# Altium PCB PCB_Kasli.PCBDOC (part 8 of 14)
Units mm, origin at the board's own origin, x right, y up, seen from the top; angles counter-clockwise.
Board outline 162.29 x 100 mm, 6 copper layers (TopLayer, MidLayer1, MidLayer2, SignalLayer1, Internal Plane 1, BottomLayer), stack 1.528 mm thick; 646 components, 567 nets, 2756 pads, 1560 vias.
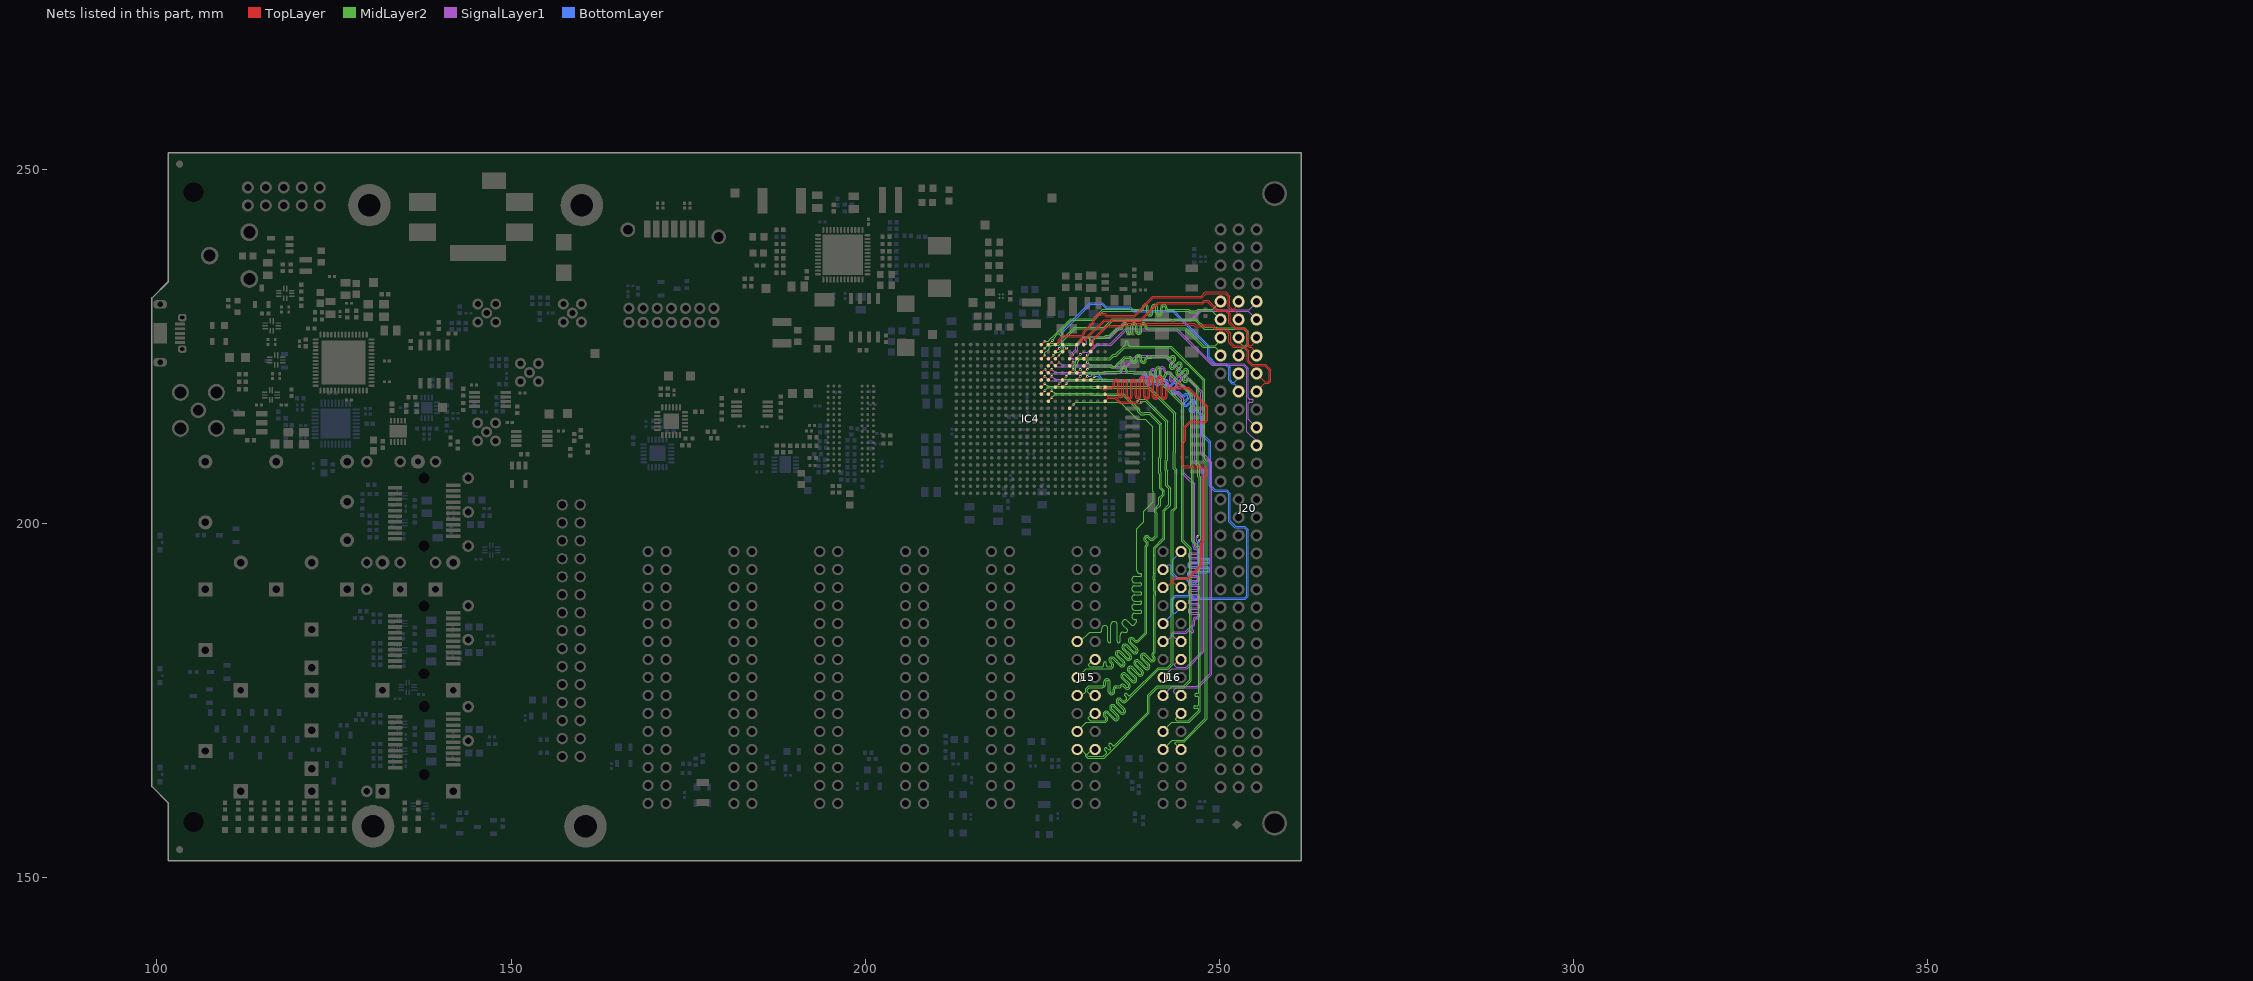
[diagram p12: the nets of this part, all layers, seen from the top]

## Via types
v1: diameter 0.5, hole 0.2, TopLayer to BottomLayer, tented both sides, 724 vias
v2: diameter 0.35, hole 0.15, TopLayer to BottomLayer, tented both sides, 628 vias
v3: diameter 0.8, hole 0.5, TopLayer to BottomLayer, tented both sides, 122 vias
v4: diameter 0.8, hole 0.5, TopLayer to BottomLayer, 66 vias
v5: diameter 0.5, hole 0.2, TopLayer to BottomLayer, 20 vias

## Nets (pads, with @x,y where several pads share a name; then routed paths per layer and width w, separated by ;. In a path a pad name is that pad's centre, name@x,y a point inside that pad or via, vN(x,y) a via of type N, cw(c..) or ccw(c..) an arc to the next point about the centre after c; other vN are vias at no path point) (continued)
EXT6.LVDS_3_P: IC4.K17 J15.11 | length 74.5
  TopLayer w0.095: IC4.K17@228.872,216.315 v2(229.372,216.815)
  MidLayer2 w0.115: v2(229.372,216.815) 229.755,217.198 232.058,217.198 232.087,217.168 233.113,217.168 233.119,217.162 233.631,217.162 233.637,217.168 236.044,217.168 238.412,214.8 239.523,214.8 240.589,213.735 240.589,204.612 240.644,204.557 240.644,203.129 239.307,201.792 239.307,200.27 238.347,199.31 238.347,193.429 ccw(c238.79,193.429) 238.79,192.986 238.84,192.986 cw(c238.84,192.779) 239.047,192.779 cw(c238.84,192.779) 238.84,192.571 238.09,192.571 ccw(c238.09,192.129) 238.09,191.686 238.84,191.686 cw(c238.84,191.479) 239.047,191.479 cw(c238.84,191.479) 238.84,191.271 238.09,191.271 ccw(c238.09,190.829) 238.09,190.386 238.84,190.386 cw(c238.84,190.179) 239.047,190.179 cw(c238.84,190.179) 238.84,189.971 238.09,189.971 ccw(c238.09,189.529) 238.09,189.086 238.84,189.086 cw(c238.84,188.879) 239.047,188.879 cw(c238.84,188.879) 238.84,188.671 238.09,188.671 ccw(c238.09,188.229) 238.09,187.786 238.84,187.786 cw(c238.84,187.579) 239.047,187.579 cw(c238.84,187.579) 238.84,187.371 238.09,187.371 ccw(c238.09,186.929) 238.09,186.486 238.14,186.486 cw(c238.14,186.279) 238.347,186.279 238.347,186.152 237.912,185.717 cw(c237.766,185.864) 237.619,185.717 237.018,186.318 ccw(c236.705,186.006) 236.392,186.318 ccw(c236.705,186.006) 236.392,185.693 236.993,185.092 cw(c236.846,184.945) 237.054,184.945 cw(c236.846,184.945) 236.993,184.798 236.904,184.709 236.447,184.709 ccw(c236.447,184.266) 236.005,184.266 236.005,183.416 cw(c235.797,183.416) 235.59,183.416 235.59,185.766 ccw(c235.147,185.766) 234.705,185.766 234.705,183.416 cw(c234.497,183.416) 234.29,183.416 234.29,185.193 ccw(c233.847,185.193) 233.405,185.193 233.405,184.916 cw(c233.197,184.916) 233.197,184.709 231.697,184.709 230.376,183.388 J15.11@229.943,183.388
EXT6.LVDS_4_N: IC4.H14 J15.15 | length 74.9
  TopLayer w0.095: IC4.H14@225.872,218.315 v2(226.372,218.815)
  MidLayer2 w0.115: v2(226.372,218.815) 226.755,218.433 232.174,218.433 232.203,218.403 236.469,218.403 236.499,218.374 238.049,216.824 238.754,216.118 238.754,215.921 239.022,215.653 239.401,215.653 239.483,215.735 240.195,215.735 241.814,214.116 241.814,209.369 241.716,209.27 241.716,207.254 241.814,207.155 241.814,205.115 242.247,204.683 242.247,204.109 241.714,203.576 241.714,202.653 241.097,202.036 241.097,201.656 241.217,201.535 241.217,198.213 241.173,198.169 240.785,197.78 cw(c240.472,198.093) 240.159,197.78 239.911,198.028 ccw(c239.765,197.881) 239.618,198.028 ccw(c239.765,197.881) 239.618,197.734 239.865,197.487 cw(c239.552,197.174) 239.995,197.174 cw(c239.552,197.174) 239.865,196.861 239.776,196.772 239.776,184.554 238.628,183.407 cw(c238.316,183.72) 238.003,183.407 237.755,183.654 ccw(c237.608,183.507) 237.462,183.655 ; J15.15@229.943,178.308 231.206,179.572 234.793,179.572 234.952,179.73 ccw(c234.639,180.043) 235.081,180.043 ccw(c234.639,180.043) 234.952,180.356 234.704,180.603 cw(c234.851,180.75) 234.704,180.896 cw(c234.851,180.75) 234.997,180.896 235.952,179.942 ccw(c236.265,180.255) 236.578,179.942 ccw(c236.265,180.255) 236.707,180.255 ccw(c236.265,180.255) 236.578,180.568 235.623,181.522 cw(c235.77,181.669) 235.623,181.815 cw(c235.77,181.669) 235.917,181.816 236.871,180.861 ccw(c237.184,181.174) 237.497,180.861 ccw(c237.184,181.174) 237.627,181.174 ccw(c237.184,181.174) 237.497,181.487 236.543,182.442 cw(c236.689,182.588) 236.542,182.735 ; 236.543,182.735 cw(c236.689,182.588) 236.836,182.735 237.791,181.78 ccw(c238.103,182.093) 238.416,181.78 ccw(c238.103,182.093) 238.546,182.093 ccw(c238.103,182.093) 238.416,182.406 237.462,183.361 cw(c237.608,183.507) 237.461,183.654
EXT6.LVDS_4_P: IC4.J14 J15.14 | length 74.2
  TopLayer w0.095: IC4.J14@225.872,217.315 v2(226.372,217.815)
  MidLayer2 w0.115: v2(226.372,217.815) 226.755,218.198 232.076,218.198 232.106,218.168 236.372,218.168 236.499,218.041 237.814,216.726 238.519,216.021 238.519,215.824 238.925,215.418 239.499,215.418 239.58,215.5 240.098,215.5 241.579,214.018 241.579,209.466 241.481,209.367 241.481,207.157 241.579,207.058 241.579,205.018 242.011,204.585 242.011,204.206 241.479,203.674 241.479,202.75 240.861,202.133 240.861,201.559 240.982,201.438 240.982,198.31 240.618,197.946 cw(c240.472,198.093) 240.325,197.946 240.077,198.194 ccw(c239.765,197.881) 239.452,198.194 ccw(c239.765,197.881) 239.452,197.568 239.699,197.321 cw(c239.552,197.174) 239.76,197.174 cw(c239.552,197.174) 239.699,197.027 239.541,196.869 239.541,184.652 238.462,183.573 cw(c238.316,183.72) 238.169,183.573 237.921,183.82 ccw(c237.608,183.507) 237.296,183.82 ccw(c237.608,183.507) 237.296,183.195 238.25,182.24 cw(c238.103,182.093) 238.311,182.093 cw(c238.103,182.093) 238.25,181.947 ; J15.14@232.207,180.848 231.546,180.188 231.546,179.984 231.724,179.807 233.45,179.807 ccw(c233.45,180.014) 233.658,180.014 233.658,180.299 cw(c233.865,180.299) 233.865,180.507 cw(c233.865,180.299) 234.073,180.299 234.073,180.014 ccw(c234.28,180.014) 234.28,179.807 234.45,179.807 234.696,179.807 234.785,179.896 ccw(c234.639,180.043) 234.846,180.043 ccw(c234.639,180.043) 234.785,180.189 234.538,180.437 cw(c234.851,180.75) 234.538,181.063 cw(c234.851,180.75) 235.164,181.063 236.118,180.108 ccw(c236.265,180.255) 236.411,180.108 ccw(c236.265,180.255) 236.472,180.255 ccw(c236.265,180.255) 236.412,180.402 235.457,181.356 cw(c235.77,181.669) 235.457,181.982 cw(c235.77,181.669) 236.083,181.982 237.037,181.027 ccw(c237.184,181.174) 237.33,181.027 ; 237.331,181.027 ccw(c237.184,181.174) 237.392,181.174 ccw(c237.184,181.174) 237.331,181.321 236.376,182.275 cw(c236.689,182.588) 236.376,182.901 cw(c236.689,182.588) 237.002,182.901 237.957,181.947 ccw(c238.103,182.093) 238.25,181.946
EXT6.LVDS_5_N: IC4.H22 J15.18 | length 75.8
  TopLayer w0.095: IC4.H22@233.872,218.315 234.262,217.925 235.361,217.925 236.036,217.25 v2@238.376,217.25
  MidLayer2 w0.115: J15.18@232.483,175.768 231.927,175.768 231.369,176.327 231.369,176.606 231.642,176.879 233.502,176.879 ccw(c233.502,177.322) 233.945,177.322 233.945,177.672 cw(c234.152,177.672) 234.36,177.672 234.36,176.322 ccw(c234.802,176.322) 235.245,176.322 235.245,176.672 cw(c235.452,176.672) 235.452,176.879 236.01,176.879 236.169,177.037 cw(c236.315,176.891) 236.462,177.037 236.709,176.79 ccw(c237.022,177.103) 237.335,176.79 ccw(c237.022,177.103) 237.465,177.103 ccw(c237.022,177.103) 237.335,177.416 236.381,178.37 cw(c236.527,178.517) 236.38,178.663 ; 236.381,178.664 cw(c236.527,178.517) 236.674,178.664 237.629,177.709 ccw(c237.942,178.022) 238.255,177.709 ccw(c237.942,178.022) 238.384,178.022 ccw(c237.942,178.022) 238.255,178.335 237.3,179.29 cw(c237.447,179.436) 237.3,179.583 cw(c237.447,179.436) 237.593,179.583 238.548,178.628 ccw(c238.861,178.941) 239.174,178.628 ccw(c238.861,178.941) 239.303,178.941 ccw(c238.861,178.941) 239.174,179.254 238.219,180.209 cw(c238.366,180.355) 238.219,180.502 ; 238.219,180.502 cw(c238.366,180.355) 238.513,180.502 239.467,179.548 ccw(c239.78,179.861) 240.093,179.548 ccw(c239.78,179.861) 240.223,179.861 ccw(c239.78,179.861) 240.093,180.173 239.138,181.128 cw(c239.285,181.275) 239.138,181.421 ; v2@238.437,217.311 238.686,217.56 238.804,217.56 238.827,217.584 238.975,217.584 238.981,217.578 239.147,217.578 239.165,217.56 239.629,217.56 242.704,214.484 242.704,209 242.606,208.901 242.606,207.623 242.704,207.524 242.704,205.484 243.137,205.051 243.137,202.649 242.316,201.828 242.316,197.921 240.954,196.56 240.954,195.629 240.97,195.614 240.97,194.022 240.954,194.007 240.954,193.089 240.97,193.074 240.97,192.558 240.904,192.493 240.904,192.176 240.97,192.11 240.97,191.482 240.954,191.467 240.954,190.549 240.97,190.534 240.97,190.528 241.043,190.456 241.043,189.944 240.97,189.872 240.97,188.942 240.954,188.927 240.954,182.09 240.97,182.075 240.97,181.839 240.765,181.634 ccw(c240.912,181.487) 240.765,181.34 240.829,181.276 cw(c240.516,180.963) 240.959,180.963 cw(c240.516,180.963) 240.829,180.65 cw(c240.516,180.963) 240.203,180.65 239.432,181.421 ccw(c239.285,181.275) 239.138,181.421
  other v2: 238.412,217.311
EXT6.LVDS_5_P: IC4.J22 J15.17 | length 76
  TopLayer w0.095: IC4.J22@233.872,217.315 234.262,217.705 235.27,217.705 235.945,217.03 238.15,217.03 238.242,216.938 238.731,216.938 v2(238.989,217.195)
  MidLayer2 w0.115: J15.17@229.943,175.768 230.575,175.768 231.134,176.327 231.134,176.704 231.544,177.114 233.502,177.114 ccw(c233.502,177.322) 233.71,177.322 233.71,177.672 cw(c234.152,177.672) 234.595,177.672 234.595,176.322 ccw(c234.802,176.322) 235.01,176.322 235.01,176.672 cw(c235.452,176.672) 235.452,177.114 235.913,177.114 236.002,177.204 cw(c236.315,176.891) 236.628,177.204 236.876,176.956 ccw(c237.022,177.103) 237.169,176.956 ccw(c237.022,177.103) 237.23,177.103 ccw(c237.022,177.103) 237.169,177.249 236.215,178.204 cw(c236.527,178.517) 236.215,178.83 cw(c236.527,178.517) 236.84,178.83 237.795,177.875 ccw(c237.942,178.022) 238.088,177.875 ccw(c237.942,178.022) 238.149,178.022 ccw(c237.942,178.022) 238.088,178.169 237.134,179.123 cw(c237.447,179.436) 237.134,179.749 cw(c237.447,179.436) 237.76,179.749 238.714,178.795 ccw(c238.861,178.941) 239.007,178.794 ccw(c238.861,178.941) 239.068,178.941 ccw(c238.861,178.941) 239.008,179.088 238.053,180.043 cw(c238.366,180.355) 238.053,180.668 cw(c238.366,180.355) 238.679,180.668 239.633,179.714 ccw(c239.78,179.861) 239.926,179.713 ; v2(238.989,217.195) 238.902,217.195 238.837,217.261 238.88,217.304 238.901,217.325 238.989,217.325 239.531,217.325 242.469,214.387 242.469,209.097 242.371,208.999 242.371,207.525 242.469,207.427 242.469,205.386 242.902,204.954 242.902,202.746 242.081,201.926 242.081,198.018 240.719,196.657 240.719,195.532 240.735,195.517 240.735,194.119 240.719,194.104 240.719,192.992 240.735,192.977 240.735,192.656 240.669,192.59 240.669,192.079 240.735,192.013 240.735,191.579 240.719,191.564 240.719,190.452 240.735,190.437 240.735,190.431 240.808,190.358 240.808,190.042 240.735,189.969 240.735,189.039 240.719,189.024 240.719,181.993 240.735,181.978 240.735,181.936 240.599,181.8 ccw(c240.912,181.487) 240.599,181.174 240.663,181.11 cw(c240.516,180.963) 240.724,180.963 cw(c240.516,180.963) 240.663,180.816 cw(c240.516,180.963) 240.37,180.816 239.598,181.588 ccw(c239.285,181.275) 238.972,181.588 ccw(c239.285,181.275) 238.972,180.962 239.927,180.007 cw(c239.78,179.861) 239.988,179.861 cw(c239.78,179.861) 239.927,179.714
EXT6.LVDS_6_N: IC4.G13 J15.21 | length 82.2
  TopLayer w0.095: IC4.G13@224.872,219.315 v2(225.372,219.815)
  MidLayer2 w0.115: v2(225.372,219.815) 225.755,219.433 232.174,219.433 232.203,219.403 240.06,219.403 243.828,215.634 243.828,210.125 243.768,210.064 243.768,208.087 243.771,208.084 243.771,207.894 244.027,207.638 244.027,202.28 243.491,201.745 243.491,180.166 242.769,179.445 241.448,179.445 236.871,174.867 cw(c236.558,175.18) 236.245,174.867 236.014,175.098 ccw(c235.868,174.952) 235.721,175.098 ; J15.21@229.943,170.688 231.206,171.952 233.955,171.952 234.113,172.11 ccw(c233.8,172.423) 234.243,172.423 ccw(c233.8,172.423) 234.113,172.736 233.898,172.951 cw(c234.045,173.097) 233.898,173.244 ; 233.898,173.244 cw(c234.045,173.097) 234.192,173.244 235.097,172.338 ccw(c235.41,172.651) 235.723,172.338 ccw(c235.41,172.651) 235.853,172.651 ccw(c235.41,172.651) 235.723,172.964 234.802,173.886 cw(c234.948,174.032) 234.801,174.179 cw(c234.948,174.032) 235.095,174.179 236.017,173.258 ccw(c236.329,173.571) 236.642,173.258 ccw(c236.329,173.571) 236.772,173.571 ccw(c236.329,173.571) 236.642,173.884 235.721,174.805 cw(c235.868,174.952) 235.72,175.098
EXT6.LVDS_6_P: IC4.H13 J15.20 | length 81.9
  TopLayer w0.095: IC4.H13@224.872,218.315 v2(225.372,218.815)
  MidLayer2 w0.115: v2(225.372,218.815) 225.755,219.198 232.076,219.198 232.106,219.168 239.962,219.168 243.593,215.537 243.593,210.223 243.532,210.162 243.532,207.99 243.535,207.987 243.535,207.797 243.792,207.541 243.792,202.378 243.256,201.842 243.256,180.264 242.672,179.68 241.351,179.68 237.586,175.914 237.46,175.789 cw(c237.313,175.936) 237.167,175.789 236.965,175.99 ccw(c236.818,175.844) 236.672,175.99 ccw(c236.818,175.844) 236.672,175.697 236.873,175.495 cw(c236.726,175.349) 236.873,175.202 236.705,175.034 cw(c236.558,175.18) 236.411,175.034 236.181,175.265 ccw(c235.868,174.952) 235.555,175.265 ccw(c235.868,174.952) 235.555,174.639 236.476,173.717 cw(c236.329,173.571) 236.537,173.571 cw(c236.329,173.571) 236.476,173.424 ; J15.20@232.483,173.228 232.131,173.228 231.521,172.618 231.521,172.466 231.8,172.187 233.858,172.187 233.947,172.276 ccw(c233.8,172.423) 234.008,172.423 ccw(c233.8,172.423) 233.947,172.569 233.732,172.784 cw(c234.045,173.097) 233.732,173.41 cw(c234.045,173.097) 234.358,173.41 235.263,172.505 ccw(c235.41,172.651) 235.556,172.504 ccw(c235.41,172.651) 235.618,172.651 ccw(c235.41,172.651) 235.557,172.798 234.635,173.72 cw(c234.948,174.032) 234.635,174.345 cw(c234.948,174.032) 235.261,174.345 236.183,173.424 ccw(c236.329,173.571) 236.476,173.423
EXT6.LVDS_7_N: IC4.G16 J15.24 | length 81.9
  TopLayer w0.095: IC4.G16@227.872,219.315 v2(228.372,219.815)
  MidLayer2 w0.115: v2(228.372,219.815) 228.755,220.198 232.051,220.198 232.081,220.168 235.282,220.168 235.36,220.09 241.46,220.09 244.7,216.85 244.7,203.414 244.693,203.407 244.693,202.833 244.7,202.826 244.7,197.563 245.821,196.441 245.821,177.961 244.971,177.111 241.243,177.111 239.897,175.764 239.897,173.406 235.533,169.042 235.219,168.728 cw(c235.072,168.875) 234.926,168.728 234.724,168.93 ccw(c234.577,168.783) 234.431,168.93 ccw(c234.577,168.783) 234.431,168.636 234.632,168.435 cw(c234.486,168.288) 234.632,168.142 cw(c234.486,168.288) 234.339,168.141 234.137,168.343 ccw(c233.991,168.196) 233.844,168.343 ccw(c233.991,168.196) 233.844,168.05 ; J15.24@232.483,168.148 232.054,168.148 231.394,167.488 231.394,167.259 231.496,167.157 233.648,167.157 234.045,167.555 ccw(c233.899,167.701) 234.045,167.848 233.844,168.05
EXT6.LVDS_7_P: IC4.G15 J15.23 | length 82.2
  TopLayer w0.095: IC4.G15@226.872,219.315 v2(227.372,219.815)
  MidLayer2 w0.115: v2(227.372,219.815) 227.957,220.4 228.625,220.4 228.657,220.433 232.149,220.433 232.178,220.403 235.379,220.403 235.458,220.325 241.557,220.325 244.935,216.947 244.935,203.316 244.928,203.309 244.928,202.931 244.935,202.924 244.935,197.66 246.056,196.539 246.056,177.864 245.068,176.876 241.341,176.876 240.132,175.666 240.132,173.308 233.746,166.922 231.398,166.922 231.159,167.162 231.159,167.488 230.499,168.148 J15.23@229.943,168.148
EXT7.LVDS_0_N: IC4.D19 J16.3 | length 73.1
  TopLayer w0.095: IC4.D19@230.872,222.315 v2(231.372,222.815)
  MidLayer2 w0.115: v2(231.372,222.815) 231.755,222.433 234.675,222.433 234.857,222.25 235.242,222.25 236.602,223.61 237.325,223.61 cw(c237.325,223.168) 237.767,223.168 237.767,223.118 ccw(c237.975,223.118) 238.182,223.118 238.182,223.493 cw(c238.57,223.493) 238.57,223.88 238.68,223.88 cw(c238.68,223.493) 239.068,223.493 239.068,223.118 ccw(c239.275,223.118) 239.483,223.118 239.483,223.168 cw(c239.925,223.168) 239.925,223.61 240.36,223.61 240.468,223.719 242.631,223.719 242.79,223.56 ccw(c242.936,223.707) 243.083,223.56 243.118,223.596 cw(c243.431,223.283) 243.744,223.596 cw(c243.431,223.283) 243.874,223.283 cw(c243.431,223.283) 243.744,222.97 243.214,222.44 ccw(c243.361,222.293) 243.213,222.147 ; 243.214,222.146 ccw(c243.361,222.293) 243.507,222.146 244.038,222.676 cw(c244.351,222.364) 244.663,222.676 cw(c244.351,222.364) 244.793,222.364 cw(c244.351,222.364) 244.663,222.051 244.133,221.52 ccw(c244.28,221.374) 244.133,221.227 ccw(c244.28,221.374) 244.427,221.227 244.957,221.757 cw(c245.27,221.444) 245.583,221.757 cw(c245.27,221.444) 245.712,221.444 cw(c245.27,221.444) 245.583,221.131 245.052,220.601 ccw(c245.199,220.454) 245.052,220.308 ; 245.053,220.307 ccw(c245.199,220.454) 245.346,220.308 245.381,220.343 cw(c245.694,220.03) 246.007,220.343 247.066,219.284 247.066,208.477 247.228,208.316 247.228,206.72 247.375,206.572 247.375,197.921 v2(247.167,197.714)
  BottomLayer w0.095: J16.3@242.062,193.548 242.113,193.548 242.824,194.259 243.103,194.259 243.239,194.124 243.239,192.974 244.037,192.176 245.256,192.176 245.984,191.448 246.522,191.448 247.167,192.094 247.167,192.297 ccw(c246.75,192.297) 246.75,192.714 245.922,192.714 cw(c245.922,192.912) 245.724,192.912 cw(c245.922,192.912) 245.922,193.109 248.25,193.109 ccw(c248.25,193.527) 248.667,193.527 ccw(c248.25,193.527) 248.25,193.944 245.941,193.944 cw(c245.941,194.142) 245.744,194.142 cw(c245.941,194.142) 245.941,194.339 248.25,194.339 ccw(c248.25,194.757) 248.667,194.757 ccw(c248.25,194.757) 248.25,195.174 247.365,195.174 cw(c247.365,195.372) 247.167,195.372 v2(247.167,197.714)
EXT7.LVDS_0_P: IC4.E19 J16.2 | length 73.1
  TopLayer w0.095: IC4.E19@230.872,221.315 v2(231.372,221.815)
  MidLayer2 w0.115: v2(231.372,221.815) 231.755,222.198 234.577,222.198 234.76,222.015 235.339,222.015 236.699,223.375 237.325,223.375 cw(c237.325,223.168) 237.532,223.168 237.532,223.118 ccw(c237.975,223.118) 238.417,223.118 238.417,223.493 cw(c238.57,223.493) 238.57,223.645 238.68,223.645 cw(c238.68,223.493) 238.832,223.493 238.832,223.118 ccw(c239.275,223.118) 239.718,223.118 239.718,223.168 cw(c239.925,223.168) 239.925,223.375 240.457,223.375 240.566,223.484 242.534,223.484 242.623,223.394 ccw(c242.936,223.707) 243.249,223.394 243.285,223.43 cw(c243.431,223.283) 243.578,223.43 ; 243.578,223.43 cw(c243.431,223.283) 243.639,223.283 cw(c243.431,223.283) 243.578,223.136 243.048,222.606 ccw(c243.361,222.293) 243.048,221.98 ccw(c243.361,222.293) 243.674,221.98 244.204,222.51 cw(c244.351,222.364) 244.497,222.511 ; 244.497,222.51 cw(c244.351,222.364) 244.558,222.364 cw(c244.351,222.364) 244.497,222.217 243.967,221.687 ccw(c244.28,221.374) 243.967,221.061 ccw(c244.28,221.374) 244.593,221.061 245.123,221.591 cw(c245.27,221.444) 245.416,221.591 cw(c245.27,221.444) 245.477,221.444 cw(c245.27,221.444) 245.417,221.298 244.886,220.767 ccw(c245.199,220.454) 244.886,220.141 ccw(c245.199,220.454) 245.512,220.141 245.547,220.177 cw(c245.694,220.03) 245.841,220.177 246.831,219.186 246.831,208.38 246.993,208.219 246.993,206.622 247.14,206.475 247.14,198.39 v2(246.975,198.225)
  BottomLayer w0.095: J16.2@244.526,196.088 J16.2@244.602,196.088 243.459,194.945 243.459,193.065 244.128,192.396 245.347,192.396 246.075,191.668 246.431,191.668 246.947,192.185 246.947,192.297 ccw(c246.75,192.297) 246.75,192.494 245.922,192.494 cw(c245.922,192.912) 245.504,192.912 cw(c245.922,192.912) 245.922,193.329 248.25,193.329 ccw(c248.25,193.527) 248.447,193.527 ccw(c248.25,193.527) 248.25,193.724 245.941,193.724 cw(c245.941,194.142) 245.524,194.142 cw(c245.941,194.142) 245.941,194.559 248.25,194.559 ccw(c248.25,194.757) 248.447,194.757 ccw(c248.25,194.757) 248.25,194.954 247.365,194.954 cw(c247.365,195.372) 246.947,195.372 246.947,197.407 246.795,197.559 246.795,198.045 v2(246.975,198.225)
EXT7.LVDS_1_N: IC4.G22 J16.6 | length 81.3
  TopLayer w0.095: IC4.G22@233.872,219.315 234.179,219.315 234.675,219.315 234.832,219.315 ccw(c234.832,219.512) 235.03,219.512 235.03,220.032 cw(c235.447,220.032) 235.865,220.032 235.865,218.254 ccw(c236.062,218.254) 236.26,218.254 236.26,219.962 cw(c236.677,219.962) 237.095,219.962 237.095,218.012 ccw(c237.292,218.012) 237.49,218.012 237.49,219.992 cw(c237.907,219.992) 238.325,219.992 238.325,218.093 ccw(c238.522,218.093) 238.72,218.093 238.72,220.397 cw(c239.137,220.397) 239.555,220.397 239.555,218.012 ccw(c239.752,218.012) 239.95,218.012 239.95,220.397 cw(c240.367,220.397) 240.785,220.397 240.785,218.012 ccw(c240.982,218.012) 241.18,218.012 241.18,220.397 cw(c241.598,220.397) 242.015,220.397 242.015,218.012 ccw(c242.213,218.012) 242.41,218.012 242.41,218.897 cw(c242.828,218.897) 242.827,219.315 243.85,219.315 ccw(c243.85,219.512) 244.048,219.512 244.047,219.771 cw(c244.245,219.771) 244.245,219.968 cw(c244.245,219.771) 244.442,219.771 244.443,219.512 ccw(c244.64,219.512) 244.64,219.315 244.8,219.315 245.71,219.315 248.405,216.62 248.405,214.634 248.046,214.275 245.925,214.275 245.3,213.65 245.3,211.809 244.967,211.476 244.967,208.283 245.075,208.175 247.875,208.175 248.405,207.645 248.405,206.869 247.908,206.371 247.908,197.571 247.625,197.289 247.625,194.164 245.616,192.155 243.68,192.155 243.5,191.975 243.5,191.75 244.242,191.008 J16.6@244.602,191.008
EXT7.LVDS_1_P: IC4.G21 J16.5 | length 81.3
  TopLayer w0.095: IC4.G21@232.872,219.315 233.271,219.315 233.658,218.929 234.084,218.929 234.25,219.095 234.675,219.095 234.832,219.095 ccw(c234.832,219.512) 235.25,219.512 235.25,220.032 cw(c235.447,220.032) 235.645,220.032 235.645,218.254 ccw(c236.062,218.254) 236.48,218.254 236.48,219.962 cw(c236.677,219.962) 236.875,219.962 236.875,218.012 ccw(c237.292,218.012) 237.71,218.012 237.71,219.992 cw(c237.907,219.992) 238.105,219.992 238.105,218.093 ccw(c238.522,218.093) 238.94,218.093 238.94,220.397 cw(c239.137,220.397) 239.335,220.397 239.335,218.012 ccw(c239.752,218.012) 240.17,218.012 240.17,220.397 cw(c240.367,220.397) 240.565,220.397 240.565,218.012 ccw(c240.982,218.012) 241.4,218.012 241.4,220.397 cw(c241.598,220.397) 241.795,220.397 241.795,218.012 ccw(c242.213,218.012) 242.63,218.012 242.63,218.897 cw(c242.828,218.897) 242.827,219.095 243.85,219.095 245.619,219.095 248.185,216.529 248.185,214.725 247.955,214.495 245.834,214.495 245.08,213.741 245.08,211.9 244.919,211.739 244.747,211.567 244.747,208.192 244.984,207.955 247.784,207.955 248.185,207.554 248.185,206.96 247.688,206.462 247.688,197.663 247.405,197.38 247.405,194.255 245.525,192.375 243.589,192.375 243.28,192.066 243.28,191.75 242.538,191.008 J16.5@242.062,191.008
EXT7.LVDS_2_N: IC4.F20 J16.9 | length 74.7
  TopLayer w0.095: IC4.F20@231.872,220.315 232.34,220.783 v2(232.34,220.8)
  BottomLayer w0.095: v2(232.34,220.8) 232.351,220.8 232.363,220.813 232.876,220.813 233.531,220.158 236.054,220.158 236.062,220.15 237.977,220.15 238.05,220.223 238.825,220.223 ccw(c238.825,220.64) 239.242,220.64 239.242,220.725 cw(c239.44,220.725) 239.637,220.725 239.637,219.94 ccw(c240.055,219.94) 240.472,219.94 240.472,220.725 cw(c240.67,220.725) 240.867,220.725 240.867,219.94 ccw(c241.285,219.94) 241.702,219.94 241.702,220.025 cw(c241.9,220.025) 241.9,220.223 242.432,220.223 242.512,220.143 cw(c242.372,220.004) 242.569,220.004 cw(c242.372,220.004) 242.512,219.864 242.452,219.804 ccw(c242.747,219.509) 243.042,219.214 243.597,219.769 cw(c243.737,219.629) 243.934,219.629 cw(c243.737,219.629) 243.876,219.489 243.321,218.934 ccw(c243.616,218.639) 243.912,218.344 243.972,218.404 cw(c244.111,218.264) 244.251,218.404 244.486,218.169 244.597,218.058 ccw(c244.892,218.353) 245.187,218.058 245.247,218.118 cw(c245.387,217.979) 245.527,218.118 ; J16.9@242.062,185.928 243.205,187.071 243.205,189.341 243.784,189.92 246.055,189.92 246.423,189.552 253.568,189.552 253.873,189.856 253.873,199.111 253.512,199.472 252.275,199.472 252.27,199.466 252.265,199.472 252.21,199.472 251.367,200.315 251.367,204.182 250.952,204.597 249.327,204.597 248.555,205.369 248.555,205.552 248.555,211.483 247.506,212.532 247.506,215.149 246.74,215.915 ccw(c246.632,215.807) 246.523,215.915 246.432,215.824 cw(c246.137,216.119) 245.841,216.414 246.396,216.969 ccw(c246.257,217.109) 246.454,217.109 ccw(c246.257,217.109) 246.396,217.248 ccw(c246.257,217.109) 246.117,217.248 245.562,216.693 cw(c245.267,216.989) 244.972,217.284 245.527,217.839 ccw(c245.387,217.979) 245.585,217.979 ccw(c245.387,217.979) 245.527,218.118
EXT7.LVDS_2_P: IC4.F19 J16.8 | length 76
  TopLayer w0.095: IC4.F19@230.872,220.315 v2(231.372,220.815)
  BottomLayer w0.095: v2(231.372,220.815) 231.839,220.815 231.967,220.944 231.967,220.954 232.186,221.173 232.827,221.173 233.622,220.378 236.145,220.378 236.154,220.37 237.886,220.37 237.959,220.442 238.825,220.442 ccw(c238.825,220.64) 239.023,220.64 239.023,220.725 cw(c239.44,220.725) 239.857,220.725 239.857,219.94 ccw(c240.055,219.94) 240.252,219.94 240.252,220.725 cw(c240.67,220.725) 241.087,220.725 241.087,219.94 ccw(c241.285,219.94) 241.482,219.94 241.482,220.025 cw(c241.9,220.025) 241.9,220.442 242.524,220.442 242.667,220.299 cw(c242.372,220.004) 242.789,220.004 cw(c242.372,220.004) 242.667,219.709 242.607,219.648 ccw(c242.747,219.509) 242.886,219.369 243.441,219.924 cw(c243.737,219.629) 244.154,219.629 cw(c243.737,219.629) 244.032,219.334 243.477,218.779 ccw(c243.616,218.639) 243.756,218.499 243.816,218.559 cw(c244.111,218.264) 244.407,218.559 244.752,218.214 ccw(c244.892,218.353) 245.032,218.214 245.092,218.274 cw(c245.387,217.979) 245.805,217.979 cw(c245.387,217.979) 245.682,217.683 245.127,217.128 ccw(c245.267,216.989) 245.127,216.849 ; J16.8@244.602,188.468 244.602,188.177 243.8,187.375 243.6,187.375 243.425,187.55 243.425,189.25 243.875,189.7 245.964,189.7 246.332,189.332 253.659,189.332 254.093,189.765 254.093,199.202 253.603,199.692 252.301,199.692 251.587,200.406 251.587,204.273 251.043,204.817 249.419,204.817 248.775,205.461 248.775,211.575 247.726,212.623 247.726,215.24 246.896,216.071 ccw(c246.632,215.807) 246.368,216.071 246.276,215.979 cw(c246.137,216.119) 245.997,215.979 ; 245.127,216.849 ccw(c245.267,216.989) 245.407,216.849 245.962,217.404 cw(c246.257,217.109) 246.674,217.109 cw(c246.257,217.109) 246.552,216.814 245.997,216.259 ccw(c246.137,216.119) 245.997,215.979
EXT7.LVDS_3_N: IC4.F14 J16.12 | length 75.7
  TopLayer w0.095: IC4.F14@225.872,220.315 v2(226.372,220.815)
  SignalLayer1 w0.115: v2(226.372,220.815) 226.755,220.432 232.149,220.432 232.178,220.403 235.325,220.403 235.368,220.36 242.265,220.36 244.957,217.668 244.957,207.24 245.645,206.553 245.658,206.553 246.539,205.672 246.539,196.8 ccw(c246.746,196.8) 246.746,196.592 246.796,196.592 cw(c246.796,196.15) 247.239,196.15 cw(c246.796,196.15) 246.796,195.707 246.046,195.707 ccw(c246.046,195.5) 246.046,195.292 246.796,195.292 cw(c246.796,194.85) 247.239,194.85 cw(c246.796,194.85) 246.796,194.407 246.046,194.407 ccw(c246.046,194.2) 246.046,193.992 246.796,193.992 cw(c246.796,193.55) 247.239,193.55 cw(c246.796,193.55) 246.796,193.107 246.046,193.107 ccw(c246.046,192.9) 246.046,192.692 246.796,192.692 cw(c246.796,192.25) 247.239,192.25 cw(c246.796,192.25) 246.796,191.807 246.046,191.807 ccw(c246.046,191.6) 246.046,191.392 246.796,191.392 cw(c246.796,190.95) 247.239,190.95 cw(c246.796,190.95) 246.796,190.507 246.046,190.507 ccw(c246.046,190.3) 246.046,190.092 246.796,190.092 cw(c246.796,189.65) 247.239,189.65 cw(c246.796,189.65) 246.796,189.207 246.058,189.207 ccw(c246.058,189) 246.058,188.792 246.796,188.792 cw(c246.796,188.35) 247.239,188.35 cw(c246.796,188.35) 246.796,187.907 246.046,187.907 ccw(c246.046,187.7) 246.046,187.492 246.796,187.492 cw(c246.796,187.05) 247.239,187.05 cw(c246.796,187.05) 246.796,186.607 246.746,186.607 ccw(c246.746,186.4) 246.539,186.4 246.539,185.754 246.309,185.525 246.189,185.405 ccw(c246.336,185.258) 246.189,185.111 246.313,184.987 cw(c246.167,184.841) 246.313,184.694 cw(c246.167,184.841) 246.02,184.694 245.896,184.818 ccw(c245.749,184.671) 245.602,184.818 245.456,184.671 245.309,184.525 243.656,184.525 243.51,184.379 243.51,184.15 244.272,183.388 J16.12@244.602,183.388
EXT7.LVDS_3_P: IC4.F13 J16.11 | length 75.7
  TopLayer w0.095: IC4.F13@224.872,220.315 v2(225.372,220.815)
  SignalLayer1 w0.115: v2(225.372,220.815) 225.972,220.215 226.64,220.215 226.657,220.197 232.051,220.197 232.081,220.168 235.228,220.168 235.271,220.125 242.168,220.125 244.722,217.57 244.722,207.143 245.548,206.318 245.56,206.318 246.304,205.574 246.304,196.8 ccw(c246.746,196.8) 246.746,196.357 246.796,196.357 cw(c246.796,196.15) 247.004,196.15 cw(c246.796,196.15) 246.796,195.942 246.046,195.942 ccw(c246.046,195.5) 246.046,195.057 246.796,195.057 cw(c246.796,194.85) 247.004,194.85 cw(c246.796,194.85) 246.796,194.642 246.046,194.642 ccw(c246.046,194.2) 246.046,193.757 246.796,193.757 cw(c246.796,193.55) 247.004,193.55 cw(c246.796,193.55) 246.796,193.342 246.046,193.342 ccw(c246.046,192.9) 246.046,192.457 246.796,192.457 cw(c246.796,192.25) 247.004,192.25 cw(c246.796,192.25) 246.796,192.042 246.046,192.042 ccw(c246.046,191.6) 246.046,191.157 246.796,191.157 cw(c246.796,190.95) 247.004,190.95 cw(c246.796,190.95) 246.796,190.742 246.046,190.742 ccw(c246.046,190.3) 246.046,189.857 246.796,189.857 cw(c246.796,189.65) 247.004,189.65 cw(c246.796,189.65) 246.796,189.442 246.058,189.442 ccw(c246.058,189) 246.058,188.557 246.796,188.557 cw(c246.796,188.35) 247.004,188.35 cw(c246.796,188.35) 246.796,188.142 246.046,188.142 ccw(c246.046,187.7) 246.046,187.257 246.796,187.257 cw(c246.796,187.05) 247.004,187.05 cw(c246.796,187.05) 246.796,186.842 246.746,186.842 ccw(c246.746,186.4) 246.304,186.4 246.304,185.852 245.212,184.76 243.558,184.76 243.275,184.476 243.275,184.15 242.513,183.388 J16.11@242.062,183.388
EXT7.LVDS_4_N: IC4.E14 J16.15 | length 72.7
  TopLayer w0.095: IC4.E14@225.872,221.315 v2(226.372,221.815)
  SignalLayer1 w0.115: v2(226.372,221.815) 226.755,221.432 233.53,221.432 233.548,221.45 233.756,221.45 ; 233.756,221.453 235.403,221.453 235.484,221.535 237.947,221.535 238.029,221.453 239.404,221.453 cw(c239.404,221.065) 239.793,221.065 ccw(c240,221.065) 240.208,221.065 240.208,221.452 cw(c240.65,221.452) 241.093,221.452 241.093,221.065 ccw(c241.3,221.065) 241.508,221.065 241.508,221.711 cw(c241.95,221.711) 242.393,221.711 242.393,221.661 ccw(c242.6,221.661) 242.6,221.453 243.097,221.453 243.255,221.295 cw(c242.942,220.982) 243.384,220.982 cw(c242.942,220.982) 243.255,220.669 243.22,220.634 ccw(c243.366,220.487) 243.219,220.341 ; J16.15@242.062,178.308 243.3,179.546 245.461,179.546 247.82,181.905 247.82,207.652 246.51,208.963 246.51,218.04 245.093,219.457 ccw(c244.78,219.144) 244.468,219.457 244.432,219.421 cw(c244.285,219.568) 244.139,219.421 ; 243.22,220.341 ccw(c243.366,220.487) 243.513,220.341 244.026,220.854 cw(c244.339,220.541) 244.652,220.854 cw(c244.339,220.541) 244.782,220.541 cw(c244.339,220.541) 244.652,220.228 244.139,219.715 ccw(c244.285,219.568) 244.139,219.421
EXT7.LVDS_4_P: IC4.E13 J16.14 | length 72.3
  TopLayer w0.095: IC4.E13@224.872,221.315 225.382,221.825 v2(225.4,221.825)
  SignalLayer1 w0.115: v2(225.4,221.825) 225.4,221.787 225.972,221.215 226.64,221.215 226.657,221.197 233.756,221.197 ; 233.756,221.218 235.5,221.218 235.582,221.3 237.85,221.3 237.932,221.218 239.404,221.218 cw(c239.404,221.065) 239.558,221.065 ccw(c240,221.065) 240.443,221.065 240.443,221.452 cw(c240.65,221.452) 240.858,221.452 240.858,221.065 ccw(c241.3,221.065) 241.743,221.065 241.743,221.711 cw(c241.95,221.711) 242.158,221.711 242.158,221.661 ccw(c242.6,221.661) 242.6,221.218 242.999,221.218 243.089,221.129 cw(c242.942,220.982) 243.149,220.982 cw(c242.942,220.982) 243.089,220.836 243.053,220.8 ccw(c243.366,220.487) 243.053,220.174 ccw(c243.366,220.487) 243.679,220.174 244.193,220.688 cw(c244.339,220.541) 244.486,220.688 ; 244.486,220.688 cw(c244.339,220.541) 244.547,220.541 cw(c244.339,220.541) 244.486,220.394 243.973,219.881 ccw(c244.285,219.568) 243.973,219.255 ccw(c244.285,219.568) 244.598,219.255 244.634,219.29 cw(c244.78,219.144) 244.927,219.29 246.275,217.943 246.275,208.865 247.585,207.555 247.585,182.003 245.364,179.781 243.942,179.781 243.738,179.984 243.738,180.188 244.399,180.848 J16.14@244.602,180.848
EXT7.LVDS_5_N: IC4.D15 J16.18 | length 73
  TopLayer w0.095: IC4.D15@226.872,222.315 v2(227.372,222.815)
  SignalLayer1 w0.115: v2(227.372,222.815) 227.755,222.432 233.53,222.432 233.535,222.437 234.744,222.437 234.928,222.253 235.95,222.253 ccw(c235.95,222.461) 236.158,222.461 236.158,222.684 cw(c236.365,222.684) 236.365,222.892 cw(c236.365,222.684) 236.573,222.684 236.573,222.461 ccw(c236.78,222.461) 236.78,222.253 236.788,222.253 238.308,223.774 242.476,223.774 247.65,218.6 247.65,210.007 248.952,208.705 248.952,178.795 247.011,176.854 243.935,176.854 243.6,176.519 243.6,176.225 244.057,175.768 J16.18@244.602,175.768
EXT7.LVDS_5_P: IC4.D14 J16.17 | length 72.9
  TopLayer w0.095: IC4.D14@225.872,222.315 v2(226.372,222.815)
  SignalLayer1 w0.115: v2(226.372,222.815) 226.99,222.198 234.648,222.198 234.827,222.018 235.328,222.018 236.885,222.018 238.405,223.539 242.379,223.539 247.415,218.503 247.415,209.91 248.717,208.608 248.717,178.892 246.913,177.089 243.383,177.089 J16.17@242.062,175.768
EXT7.LVDS_6_N: IC4.E18 J16.21 | length 73.4
  TopLayer w0.095: IC4.E18@229.872,221.315 v2(230.372,221.815)
  MidLayer2 w0.115: v2(230.372,221.815) 230.755,221.433 232.599,221.433 233.77,221.432 233.862,221.525 235.85,221.525 ccw(c235.85,221.732) 236.058,221.732 236.058,221.782 cw(c236.5,221.782) 236.943,221.782 236.943,221.732 ccw(c237.15,221.732) 237.15,221.525 237.943,221.525 238.014,221.453 240.154,221.453 cw(c240.154,221.065) 240.542,221.065 ccw(c240.75,221.065) 240.957,221.065 240.957,221.711 cw(c241.4,221.711) 241.842,221.711 241.842,220.961 ccw(c242.05,220.961) 242.257,220.961 242.257,221.011 cw(c242.7,221.011) 242.7,221.453 242.964,221.453 246.176,218.241 246.176,208.108 246.338,207.947 246.338,197.606 247.345,196.598 247.345,173.556 245.741,171.952 243.326,171.952 J16.21@242.062,170.688
EXT7.LVDS_6_P: IC4.F18 J16.20 | length 73.4
  TopLayer w0.095: IC4.F18@229.872,220.315 v2(230.372,220.815)
  MidLayer2 w0.115: v2(230.372,220.815) 230.755,221.198 232.501,221.198 233.867,221.197 233.96,221.29 235.587,221.29 235.85,221.29 ccw(c235.85,221.732) 236.293,221.732 236.293,221.782 cw(c236.5,221.782) 236.708,221.782 236.708,221.732 ccw(c237.15,221.732) 237.15,221.29 237.845,221.29 237.917,221.218 240.154,221.218 cw(c240.154,221.065) 240.307,221.065 ; 240.307,221.065 ccw(c240.75,221.065) 241.192,221.065 241.192,221.711 cw(c241.4,221.711) 241.607,221.711 241.607,220.961 ccw(c242.05,220.961) 242.492,220.961 242.492,221.011 cw(c242.7,221.011) 242.7,221.218 242.867,221.218 245.941,218.144 245.941,208.011 246.103,207.85 246.103,197.508 247.11,196.501 247.11,176.255 cw(c246.903,176.255) 246.903,176.048 246.737,176.048 ccw(c246.737,175.84) 246.53,175.84 ccw(c246.737,175.84) 246.737,175.633 246.903,175.633 cw(c246.903,175.425) 247.11,175.425 247.11,175.1 247.11,174.763 247.11,174.555 cw(c246.903,174.555) 246.903,174.347 246.618,174.347 ccw(c246.618,174.14) 246.41,174.14 ccw(c246.618,174.14) 246.618,173.932 246.903,173.932 cw(c246.903,173.725) 247.11,173.725 247.11,173.653 245.643,172.187 244.018,172.187 243.865,172.339 243.865,172.491 J16.20@244.602,173.228
EXT7.LVDS_7_N: IC4.E17 J16.24 | length 79.8
  TopLayer w0.095: IC4.E17@228.872,221.315 v2(229.372,221.815)
  MidLayer2 w0.115: v2(229.372,221.815) 229.372,222.274 229.755,222.657 229.755,223.012 230.23,223.487 231.159,223.487 231.214,223.432 231.53,223.432 231.533,223.435 232.211,223.435 232.214,223.432 234.532,223.432 235.028,223.928 235.346,223.928 236.528,225.11 ccw(c236.528,225.318) 236.735,225.318 236.735,225.603 cw(c236.943,225.603) 236.943,225.81 cw(c236.943,225.603) 237.15,225.603 237.15,225.318 ccw(c237.358,225.318) 237.358,225.11 237.565,225.11 237.75,225.11 243.19,225.11 247.956,220.344 247.956,209.091 248.275,208.772 248.275,172.45 245.059,169.234 243.91,169.234 243.75,169.074 243.75,169 J16.24@244.602,168.148 J16.24@244.602,168.495
EXT7.LVDS_7_P: IC4.F16 J16.23 | length 79.9
  TopLayer w0.095: IC4.F16@227.872,220.315 v2(228.372,220.815)
  MidLayer2 w0.115: v2(228.372,220.815) 228.99,221.432 229.531,221.432 229.755,221.657 229.755,222.324 229.99,222.559 229.99,222.915 230.327,223.252 230.663,223.252 230.715,223.2 231.114,223.2 231.116,223.197 231.628,223.197 231.63,223.2 232.114,223.2 232.116,223.197 234.63,223.197 235.126,223.693 235.443,223.693 236.625,224.875 243.093,224.875 247.721,220.246 247.721,208.994 248.04,208.675 248.04,172.547 244.961,169.469 243.383,169.469 J16.23@242.062,168.148
EXT8.LVDS_0_N: IC4.C17 J20.a6 | length 31.9
  TopLayer w0.095: IC4.C17@228.872,223.315 229.311,223.754 v2(229.311,223.861)
  SignalLayer1 w0.114: 249.65,230.015 253.775,230.015
  SignalLayer1 w0.115: v2(229.311,223.861) 229.311,223.881 229.99,224.559 229.99,224.973 229.992,224.976 229.992,225.083 230.001,225.092 230.001,225.148 230.025,225.172 230.025,225.175 230.287,225.438 230.316,225.466 230.463,225.613 cw(c230.61,225.466) 230.757,225.613 230.958,225.412 ccw(c231.105,225.558) 231.252,225.412 ccw(c231.105,225.558) 231.252,225.705 231.05,225.907 cw(c231.197,226.053) 231.05,226.2 231.475,226.2 231.637,226.2 cw(c231.637,225.993) 231.845,225.993 231.845,225.845 ccw(c232.052,225.845) 232.052,225.637 ccw(c232.052,225.845) 232.26,225.845 232.26,225.993 cw(c232.467,225.993) 232.467,226.2 234.575,226.2 237.025,228.65 246.1,228.65 247.465,230.015 249.65,230.015 ; 253.775,230.015 253.872,230.015 254.109,230.015 J20.a6@255.27,228.854
EXT8.LVDS_0_P: IC4.D17 J20.a5 | length 31.9
  TopLayer w0.095: IC4.D17@228.872,222.315 v2(229.372,222.815)
  SignalLayer1 w0.114: 249.65,230.25 249.698,230.25 ; 249.698,230.249 249.711,230.237 250.669,230.237 250.674,230.242 252.246,230.242 252.251,230.237 253.209,230.237 253.222,230.249 253.775,230.249 253.783,230.257 254.228,230.257 255.27,231.299 J20.a5@255.27,231.394
  SignalLayer1 w0.115: v2(229.372,222.815) 229.372,223.274 229.168,223.478 229.153,223.478 228.929,223.702 228.929,224.019 229.153,224.243 229.341,224.243 229.755,224.657 229.755,225.071 229.757,225.074 229.757,225.181 229.766,225.19 229.766,225.246 229.79,225.269 229.79,225.272 230.953,226.435 234.478,226.435 236.928,228.885 246.003,228.885 246.454,229.337 247.368,230.25 249.65,230.25
EXT8.LVDS_1_N: IC4.A16 J20.b6 | length 32.4
  TopLayer w0.095: IC4.A16@227.872,225.315 227.825,225.362 227.761,225.362 227.528,225.596 227.482,225.641 227.482,225.882 228.032,226.433 230.65,226.433 231.041,226.824 231.041,227.066 232.345,228.37 232.345,228.775 233.07,229.5 233.793,229.5 234.047,229.246 238.057,229.246 240.713,231.902 245.44,231.902 245.442,231.9 247.294,231.9 ; 247.09,231.9 247.523,231.9 248.142,232.519 250.822,232.519 251.287,232.054 251.287,230.629 251.287,230.538 251.676,230.149 252.095,230.149 252.73,229.514 J20.b6@252.73,228.854
EXT8.LVDS_1_P: IC4.A15 J20.b5 | length 32.6
  TopLayer w0.095: IC4.A15@226.872,225.315 IC4.A15@226.92,225.362 ; IC4.A15@226.983,225.362 IC4.A15@226.92,225.362 ; 247.181,232.12 247.432,232.12 248.051,232.739 250.913,232.739 251.507,232.145 251.507,230.629 251.767,230.369 252.095,230.369 252.73,231.004 J20.b5@252.73,231.394 ; 247.386,232.12 245.533,232.12 245.531,232.122 240.622,232.122 237.966,229.466 234.138,229.466 233.884,229.72 232.979,229.72 232.125,228.866 232.125,228.461 230.821,227.157 230.821,226.915 230.559,226.653 227.941,226.653 227.262,225.973 227.262,225.55 227.074,225.362 IC4.A15@226.92,225.362
EXT8.LVDS_2_N: IC4.A14 J20.c6 | length 33.2
  TopLayer w0.095: IC4.A14@225.872,225.315 v2(226.425,225.868)
  MidLayer2 w0.115: v2(226.425,225.868) 226.675,226.118 226.675,226.297 226.828,226.45 226.975,226.597 227.121,226.743 cw(c227.268,226.597) 227.415,226.743 227.545,226.613 ccw(c227.692,226.76) 227.839,226.613 ccw(c227.692,226.76) 227.839,226.907 227.708,227.037 cw(c227.855,227.184) 227.708,227.33 227.855,227.477 227.927,227.548 229.093,228.715 232.314,228.715 233.639,230.04 238.9,230.04 ccw(c238.9,230.483) 239.343,230.483 239.343,230.533 cw(c239.55,230.533) 239.758,230.533 239.758,229.783 ccw(c240.2,229.783) 240.643,229.783 240.643,230.533 cw(c240.85,230.533) 241.058,230.533 241.058,229.783 ccw(c241.5,229.783) 241.943,229.783 241.943,230.533 cw(c242.15,230.533) 242.358,230.533 242.358,230.483 ccw(c242.8,230.483) 242.8,230.04 245.617,230.04 245.822,229.834 246.802,229.834 247.042,230.075 248.969,230.075 J20.c6@250.19,228.854
EXT8.LVDS_2_P: IC4.A13 J20.c5 | length 33.3
  TopLayer w0.095: IC4.A13@224.872,225.315 v2(225.372,225.815)
  MidLayer2 w0.115: v2(225.372,225.815) 225.831,225.815 226.267,226.25 226.296,226.25 226.328,226.282 228.996,228.95 232.217,228.95 233.542,230.275 238.9,230.275 ccw(c238.9,230.483) 239.107,230.483 239.107,230.533 cw(c239.55,230.533) 239.993,230.533 239.993,229.783 ccw(c240.2,229.783) 240.408,229.783 240.408,230.533 cw(c240.85,230.533) 241.293,230.533 241.293,229.783 ccw(c241.5,229.783) 241.708,229.783 241.708,230.533 cw(c242.15,230.533) 242.593,230.533 242.593,230.483 ccw(c242.8,230.483) 242.8,230.275 245.714,230.275 245.92,230.069 246.704,230.069 246.945,230.31 249.106,230.31 J20.c5@250.19,231.394
EXT8.LVDS_3_N: IC4.A19 J20.a8 | length 33.3
  TopLayer w0.095: IC4.A19@230.872,225.315 230.482,225.705 230.482,225.832 230.625,225.975 231.175,225.975 233.828,228.628 238.939,228.628 241.411,231.1 247.702,231.1 247.702,231.11 247.965,231.372 248.335,231.372 249.708,230 ; 250.075,230 249.708,230 ; J20.a8@255.27,223.774 255.27,224.235 254.55,224.955 254.209,224.955 253.875,225.289 253.875,227.025 253.445,227.455 252.229,227.455 251.325,228.359 251.325,229.575 250.9,230 249.708,230
EXT8.LVDS_3_P: IC4.A18 J20.a7 | length 33.2
  TopLayer w0.095: IC4.A18@229.872,225.315 230.262,225.705 230.262,225.923 230.534,226.195 231.084,226.195 233.737,228.848 238.848,228.848 241.32,231.32 247.601,231.32 247.874,231.593 248.426,231.593 249.799,230.22 250.991,230.22 251.545,229.666 251.545,228.45 252.32,227.675 253.536,227.675 254.095,227.116 254.095,225.38 254.3,225.175 254.55,225.175 255.27,225.895 J20.a7@255.27,226.314
EXT8.LVDS_4_N: IC4.B13 J20.b8 | length 36.1
  TopLayer w0.095: IC4.B13@224.872,224.315 v2(225.372,224.815)
  MidLayer2 w0.1: 249.657,227.75 249.712,227.695 253.566,227.695 254.095,227.166 254.095,225.259 253.727,224.891 253.35,224.891 252.73,224.271 J20.b8@252.73,223.774
  MidLayer2 w0.115: v2(225.372,224.815) 226.032,225.475 227.225,225.475 229.535,227.785 230.079,227.785 230.087,227.793 230.66,227.793 230.668,227.785 233.712,227.785 234.902,228.975 243.148,228.975 243.219,228.905 243.598,228.905 243.668,228.975 246.707,228.975 247.932,227.75 249.657,227.75
EXT8.LVDS_4_P: IC4.C13 J20.b7 | length 36.1
  TopLayer w0.095: IC4.C13@224.872,223.315 v2(225.372,223.815)
  MidLayer2 w0.1: 249.575,227.5 249.6,227.475 253.475,227.475 253.875,227.075 253.875,225.35 253.65,225.125 253.35,225.125 252.73,225.745 J20.b7@252.73,226.314
  MidLayer2 w0.115: v2(225.372,223.815) 225.372,224.147 225.967,224.743 225.967,224.951 226.256,225.24 227.322,225.24 229.495,227.412 229.632,227.55 230.177,227.55 230.184,227.558 230.563,227.558 230.571,227.55 230.646,227.55 230.662,227.534 230.809,227.534 230.825,227.55 233.809,227.55 234.999,228.74 243.051,228.74 243.121,228.669 243.695,228.669 243.766,228.74 246.61,228.74 247.85,227.5 249.575,227.5
EXT8.LVDS_5_N: IC4.C15 J20.c8 | length 33.6
  TopLayer w0.095: IC4.C15@226.872,223.315 v2(227.372,223.815)
  MidLayer2 w0.115: v2(227.372,223.815) 227.575,224.018 227.575,224.025 227.69,224.14 ; J20.c8@250.19,223.774 250.19,224.141 249.425,224.906 247.678,224.906 246.553,226.031 245.144,227.44 239.925,227.44 cw(c239.925,227.883) 239.483,227.883 239.483,227.933 ccw(c239.275,227.933) 239.068,227.933 239.068,227.183 cw(c238.625,227.183) 238.183,227.183 238.183,227.933 ccw(c237.975,227.933) 237.768,227.933 237.768,227.183 cw(c237.325,227.183) 236.883,227.183 236.883,227.933 ccw(c236.675,227.933) 236.468,227.933 236.468,227.883 cw(c236.025,227.883) 236.025,227.44 235.636,227.44 234.565,226.369 234.053,226.369 233.882,226.198 232.37,226.198 ccw(c232.37,225.99) 232.162,225.99 232.162,225.664 cw(c231.955,225.664) 231.955,225.456 cw(c231.955,225.664) 231.747,225.664 231.747,225.99 ccw(c231.54,225.99) 231.54,226.198 231.332,226.198 231.125,226.198 230.87,226.198 229.872,225.2 229.63,225.2 229.628,225.197 229.116,225.197 229.114,225.2 228.229,225.2 228.047,225.018 228.047,224.497 227.762,224.212 ; 227.69,224.14 227.762,224.212 ; 227.69,224.14 227.762,224.212
EXT8.LVDS_5_P: IC4.C14 J20.c7 | length 33.6
  TopLayer w0.095: IC4.C14@225.872,223.315 226.065,223.315 226.547,223.797 v2(226.547,223.803)
  MidLayer2 w0.115: v2(226.547,223.803) 226.547,223.896 226.593,223.85 226.596,223.846 226.948,224.198 227.34,224.198 227.522,224.38 227.588,224.38 227.812,224.604 227.812,225.116 228.132,225.435 229.211,225.435 229.214,225.432 229.531,225.432 229.533,225.435 229.775,225.435 230.773,226.433 233.785,226.433 233.956,226.604 234.467,226.604 235.539,227.675 236.025,227.675 ccw(c236.025,227.883) 236.232,227.883 236.232,227.933 cw(c236.675,227.933) 237.118,227.933 237.118,227.183 ccw(c237.325,227.183) 237.533,227.183 237.533,227.933 cw(c237.975,227.933) 238.418,227.933 238.418,227.183 ccw(c238.625,227.183) 238.833,227.183 238.833,227.933 cw(c239.275,227.933) 239.718,227.933 239.718,227.883 ccw(c239.925,227.883) 239.925,227.675 245.241,227.675 247.775,225.141 249.425,225.141 250.19,225.906 J20.c7@250.19,226.314
EXT8.LVDS_6_N: IC4.A20 J20.a10 | length 35.5
  TopLayer w0.095: IC4.A20@231.872,225.315 232.03,225.473 232.03,225.991 232.06,226.021 232.08,226.041 232.209,226.17 234.112,228.073 236.337,228.073 236.559,228.295 246.441,228.295 246.656,228.081 249.094,228.081 249.525,227.65 250.886,227.65 250.911,227.625 251.595,226.941 251.595,225.641 252.086,225.15 253.486,225.15 254.17,224.466 254.17,223.05 254.67,222.55 256.486,222.55 257.245,221.791 257.245,220.109 257.016,219.88 256.4,219.88 255.27,218.75 J20.a10@255.27,218.694
EXT8.LVDS_6_P: IC4.B20 J20.a9 | length 35.4
  TopLayer w0.095: IC4.B20@231.872,224.315 231.872,224.612 232.3,225.04 232.3,225.95 234.203,227.853 236.428,227.853 236.65,228.075 246.35,228.075 246.564,227.861 249.003,227.861 249.434,227.43 250.795,227.43 251.375,226.85 251.375,225.55 251.995,224.93 253.395,224.93 253.95,224.375 253.95,222.959 254.579,222.33 256.395,222.33 257.025,221.7 257.025,220.2 256.925,220.1 256.4,220.1 255.27,221.23 J20.a9@255.27,221.234
EXT8.LVDS_7_N: IC4.B16 J20.b10 | length 37
  TopLayer w0.095: IC4.B16@227.872,224.315 228.368,224.811 v2(228.436,224.811)
  BottomLayer w0.095: v2(228.436,224.811) 228.376,224.811 227.982,225.205 227.982,227.145 231.838,231 233.411,231 233.948,230.463 237.319,230.463 237.856,229.926 243.477,229.926 243.856,229.547 243.856,229.524 248.361,225.019 248.361,223.497 249.438,222.42 250.8,222.42 ; 250.8,222.425 250.905,222.425 251.305,222.025 251.305,220.259 251.759,219.805 252.125,219.805 252.73,219.2 J20.b10@252.73,218.694
EXT8.LVDS_7_P: IC4.B15 J20.b9 | length 37.4
  TopLayer w0.095: IC4.B15@226.872,224.315 227.32,224.763 v2(227.43,224.763)
  BottomLayer w0.095: v2(227.43,224.763) 227.43,224.873 227.762,225.205 227.762,227.236 231.746,231.22 233.502,231.22 234.039,230.683 237.411,230.683 237.947,230.146 243.568,230.146 244.076,229.638 244.076,229.615 248.581,225.11 248.581,223.588 249.53,222.64 250.999,222.64 251.525,222.114 251.525,220.35 251.85,220.025 252.125,220.025 252.73,220.63 J20.b9@252.73,221.234
EXT9.LVDS_0_N: IC4.C19 J20.a13 | length 38.3
  TopLayer w0.095: IC4.C19@230.872,223.315 v2(231.372,223.815)
  SignalLayer1 w0.1: 249.053,222.4 253.4,222.4 253.9,221.9 253.9,213.003 255.27,211.633 J20.a13@255.27,211.074
  SignalLayer1 w0.115: v2(231.372,223.815) 232.772,225.215 233.099,225.215 233.116,225.197 234.721,225.197 236.813,227.29 244.003,227.29 248.908,222.385 249.053,222.385
EXT9.LVDS_0_P: IC4.C18 J20.a12 | length 38.4
  TopLayer w0.095: IC4.C18@229.872,223.315 229.872,223.422 v2(230.375,223.925)
  SignalLayer1 w0.1: 249.15,222.62 253.491,222.62 254.12,221.991 254.12,218.375 254.12,218 254.12,217.8 ccw(c254.32,217.8) 254.32,217.6 254.614,217.6 cw(c254.614,217.4) 254.814,217.4 cw(c254.614,217.4) 254.614,217.2 254.32,217.2 ccw(c254.32,217) 254.12,217 254.12,216.8 254.12,216.6 254.12,214.764 J20.a12@255.27,213.614
  SignalLayer1 w0.115: v2(230.375,223.925) 230.375,223.854 230.411,223.889 230.719,224.197 231.42,224.197 231.657,224.435 231.66,224.435 232.675,225.45 233.196,225.45 233.214,225.432 234.623,225.432 236.716,227.525 244.1,227.525 249.005,222.62 249.15,222.62